# Altium PCB Mixed Signal Project.PcbDoc (part 2 of 3) (continued)
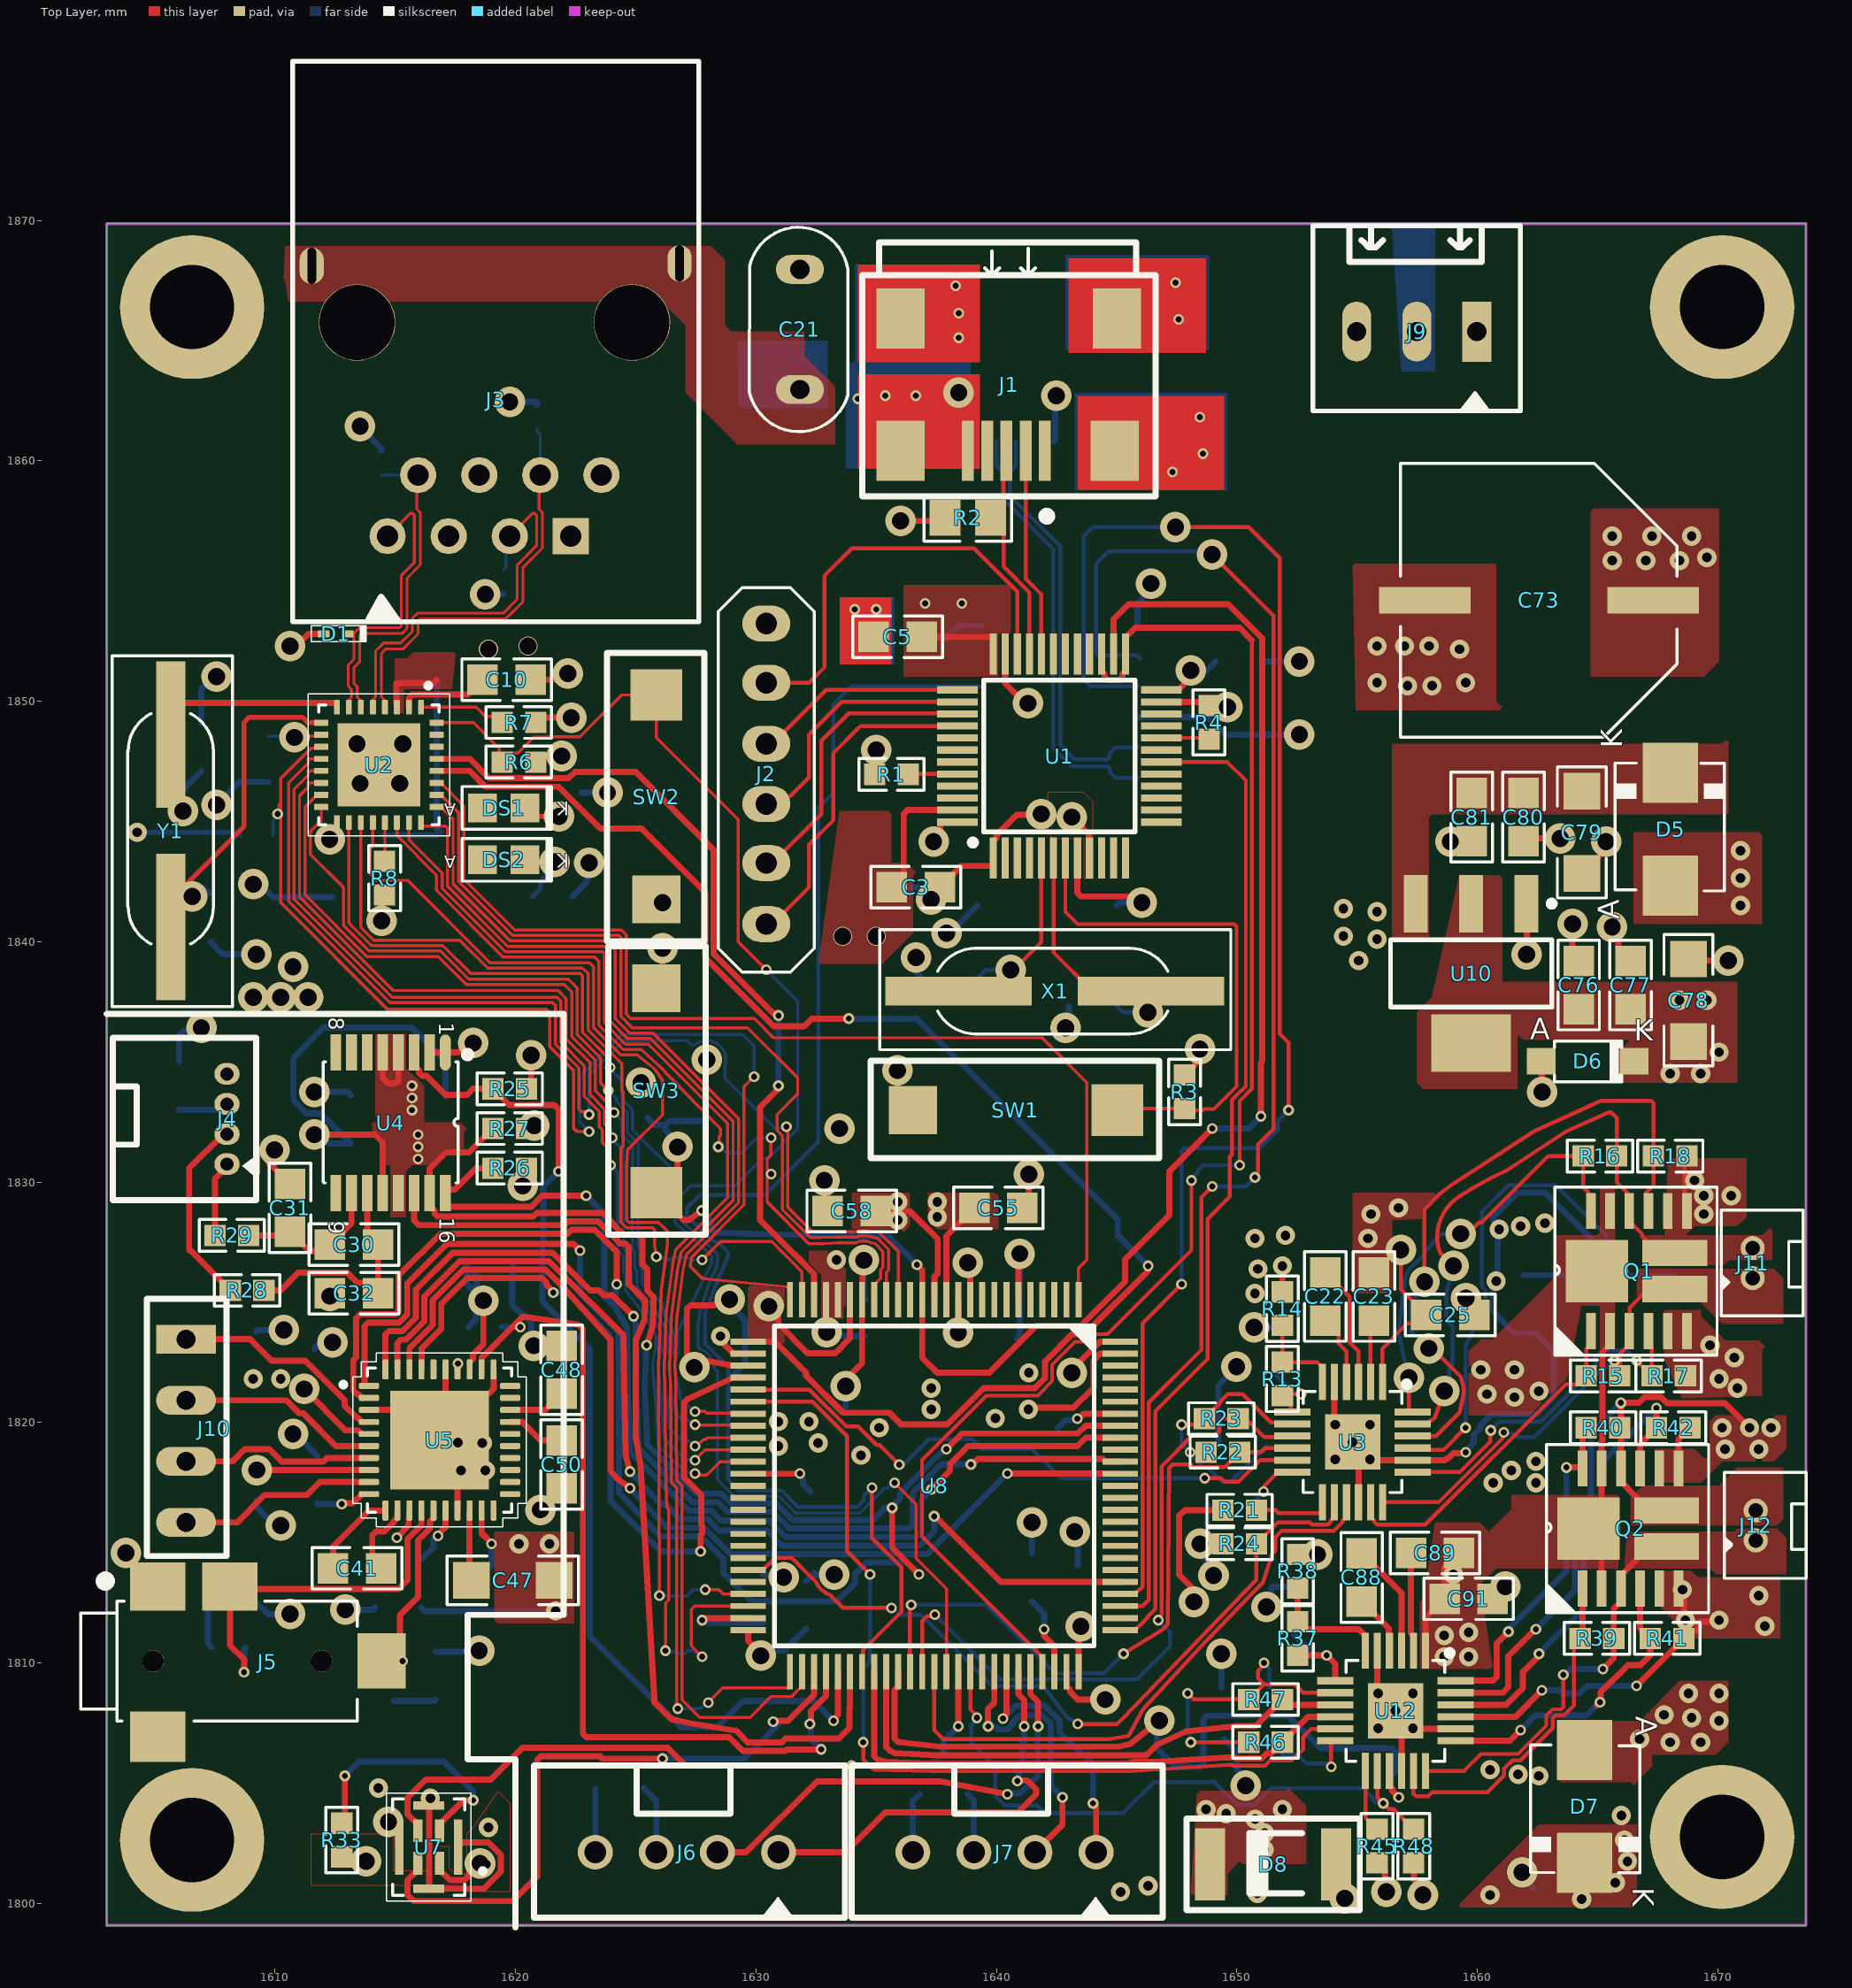
[diagram p0: Top Layer view]
## Nets (pads, with @x,y where several pads share a name; then routed paths per layer and width w, separated by ;. In a path a pad name is that pad's centre, name@x,y a point inside that pad or via, vN(x,y) a via of type N, cw(c..) or ccw(c..) an arc to the next point about the centre after c; other vN are vias at no path point) (continued)
  other v1: 1615.694,1832.991 1615.694,1833.499 1615.694,1834.007 1634.109,1853.819 1634.998,1853.819 1647.317,1859.534 1648.587,1860.296 1648.46,1861.82 1634.236,1862.582 1635.379,1862.709 1636.649,1862.709 1638.427,1865.122 1647.571,1865.884 1638.427,1866.138 1638.3,1867.281 1647.444,1867.408
  other v2: 1650.848,1800.422 1645.158,1800.479 1646.301,1800.733 1614.297,1804.797 1662.557,1805.305 1661.693,1805.369 1660.528,1805.559 1655.867,1807.287 1657.317,1808.737 1620.139,1814.957 1621.409,1814.957 1660.652,1817.497 1662.43,1817.497 1618.742,1818.005 1661.414,1818.005 1662.43,1818.386 1654.081,1818.463 1634.363,1818.64 1630.934,1819.021 1632.585,1819.148 1635.125,1819.783 1655.531,1819.913 1630.934,1820.037 1632.204,1820.037 1639.951,1820.174 1637.284,1820.545 1637.284,1821.434 1641.348,1822.069 1650.746,1825.371 1660.779,1825.879 1650.873,1826.387 1650.746,1827.657 1652.016,1827.784 1660.906,1828.038 1661.795,1828.165 1662.811,1828.292 1655.064,1839.214 1655.826,1840.103 1654.429,1840.23 1655.826,1841.246 1654.429,1841.373 1657.096,1850.644 1658.112,1850.644 1655.826,1850.771 1659.509,1850.771 1659.255,1852.168 1655.826,1852.295 1656.969,1852.295 1657.985,1852.295
  other v3: 1609.09,1837.69 1610.233,1837.69 1611.376,1837.69 1610.741,1838.96
  other v4: 1633.601,1840.23 1634.998,1840.23 1613.535,1846.58 1615.186,1846.58 1613.408,1848.231 1615.313,1848.231 1618.869,1852.168 1620.52,1852.295
INT: R8.2 U2.21 | length 1.6
  Top Layer w0.127: R8.2@1614.551,1843.342 1614.567,1843.358 U2.21@1614.567,1844.955
JTCK/SWCLK_F103: J2.4 U1.37 | length 8.9
  Top Layer w0.166: J2.4@1630.426,1848.231 1630.68,1848.231 1632.922,1850.473 U1.37@1638.38,1850.473
JTCLK_F407: U1.18 U8.76 | length 41.7
  Top Layer w0.152: U1.18@1646.856,1847.473 1649.599,1847.473 1650.367,1846.705 1650.367,1833.989 1650.179,1833.801 1650.169,1833.801
  Top Layer w0.166: U8.76@1645.149,1811.37 1645.193,1811.414 1645.804,1811.414 1645.95,1811.56 1645.962,1811.56 1646.281,1811.879 1646.281,1811.916 1646.6,1812.235 1646.6,1820.463 1648.781,1822.644 1648.781,1828.473 1649.703,1829.395 1649.703,1831.059 1649.786,1831.142 1649.786,1833.417 1650.169,1833.801
JTDI_F103: J2.3 U1.38 | length 10.8
  Top Layer w0.166: J2.3@1630.426,1845.731 1631.037,1845.731 1631.365,1846.059 1631.429,1846.059 1632.204,1846.834 1632.204,1848.612 1633.565,1849.973 U1.38@1638.38,1849.973
JTDO_F103: J2.2 U1.39 | length 12.3
  Top Layer w0.166: J2.2@1630.426,1843.271 1630.676,1843.271 1632.712,1845.307 1632.712,1848.358 1633.855,1849.501 1638.352,1849.501 U1.39@1638.38,1849.473
JTMS/SWDIO_F103: J2.5 U1.34 | length 18.3
  Top Layer w0.166: J2.5@1630.426,1850.771 1632.204,1850.771 1632.839,1851.406 1632.839,1855.216 1633.982,1856.359 1639.062,1856.359 1640.868,1854.553 U1.34@1640.868,1851.961
JTMS_F407: U1.25 U1.27 U8.72 | length 62.6
  Top Layer w0.152: U8.72@1641.911,1809.632 1641.911,1810.243 1641.719,1810.435 1641.719,1810.438 1636.898,1815.259 1636.898,1818.44 1639.58,1821.123 1641.717,1821.123 1642.315,1821.72 1642.315,1822.405 1643.273,1823.363 1643.781,1823.363 1644.091,1823.673 1644.607,1823.673 1648.106,1827.172 v1(1648.106,1830.07) ; v1(1650.111,1830.705) 1650.111,1833.376 1650.619,1833.884 1650.619,1852.549
  Top Layer w0.254: U1.27@1644.368,1851.961 1644.368,1851.261 1644.491,1851.138 1644.491,1851.017 1644.624,1850.884 1645.112,1850.884 1645.245,1851.017 1645.245,1851.138 1645.368,1851.261 U1.25@1645.368,1851.961 1645.368,1852.661 1645.764,1853.057 1650.111,1853.057 1650.619,1852.549
  Bottom Layer w0.152: v1(1648.106,1830.07) 1648.106,1830.151 1648.378,1830.423 1648.378,1830.496 1648.587,1830.705 v1(1650.111,1830.705)
LRCK: U5.40 U8.90 | length 43.9
  Top Layer w0.254: U5.40@1614.587,1822.21 1614.587,1823.652 1614.736,1823.801 1615.303,1823.801 1615.851,1824.349 1615.851,1825.528 1617.391,1827.068 1621.541,1827.068 1623.105,1825.504 1623.463,1825.504 1623.667,1825.3 1624.024,1825.3 v1(1624.904,1824.421) ; v1(1638.935,1818.259) 1638.988,1818.259 1639.215,1818.486 1644.422,1818.486 1644.538,1818.37 U8.90@1645.149,1818.37
  Bottom Layer w0.254: v1(1624.904,1824.421) 1624.994,1824.061 1624.994,1823.025 1625.011,1823.008 1625.021,1822.626 1625.021,1821.234 1625.119,1818.936 1627.368,1816.687 1628.42,1816.687 1628.819,1816.287 1630.689,1816.287 1631.381,1815.595 1636.373,1815.595 1636.522,1815.744 1636.522,1817.09 1637.691,1818.259 v1(1638.935,1818.259)
MCLK: U5.37 U8.29 | length 32.6
  Top Layer w0.254: U5.37@1616.087,1822.21 1616.087,1823.083 1616.913,1823.909 1616.913,1824.939 1617.98,1826.006 1621.101,1826.006 1621.281,1825.826 1621.281,1825.741 1621.567,1825.455 v1(1621.567,1825.402) ; v1(1627.693,1814.637) 1627.693,1815.305 1627.759,1815.37 1627.759,1815.705 1627.718,1815.746 1627.718,1816.99 1626.997,1817.71 1626.997,1820.821 1627.146,1820.97 1629.062,1821.87 U8.29@1629.673,1821.87
  Bottom Layer w0.254: v1(1621.567,1825.402) 1621.604,1825.439 1622.114,1825.439 1623.858,1823.695 1623.933,1823.621 1623.933,1822.585 1623.949,1822.568 1623.949,1816.735 1624.023,1816.661 1626.047,1814.637 v1(1627.693,1814.637)
MDC: U2.12 U8.16 | length 48.4
  Top Layer w0.127: U2.12@1611.917,1847.605 1611.376,1847.605 1611.376,1847.426 1610.562,1846.612 1610.562,1841.672 1614.771,1837.463 1621.536,1837.463 1621.652,1837.347 1621.652,1835.729 1622.633,1834.748 1622.633,1833.024 1622.723,1832.934 1622.846,1832.934 1622.973,1832.808 v1(1623.06,1832.808) ; v1(1631.265,1832.306) 1631.324,1832.247 1631.324,1828.956 1632.341,1827.94 1634.095,1827.94 cw(c1634.482,1826.749) 1634.881,1827.936 1635.093,1827.936 1635.911,1827.118 U8.16@1635.911,1825.108
  Bottom Layer w0.127: v1(1623.06,1832.808) 1623.06,1834.449 1624.497,1835.886 1627.15,1835.886 1627.338,1835.698 1627.391,1835.698 1627.435,1835.698 cw(c1627.951,1835.088) 1628.683,1835.406 1628.71,1835.379 1628.71,1835.336 cw(c1627.951,1835.088) 1628.71,1834.84 1628.71,1834.326 1630.807,1832.229 1630.934,1832.229 1630.95,1832.245 1631.204,1832.245 v1(1631.265,1832.306)
MDIO: R11.2 U2.11 U8.25 | length 53.5
  Top Layer w0.127: v1(1610.106,1845.31) 1610.168,1845.372 1610.168,1845.694 1610.241,1845.767 ; U2.11@1611.917,1848.105 1611.855,1848.043 1611.493,1848.043 1610.241,1846.791 1610.241,1845.767 ; v1(1623.06,1832.102) 1622.552,1832.102 1622.406,1832.248 1622.406,1834.654 1621.425,1835.635 1621.425,1837.039 1621.282,1837.182 1614.678,1837.182 1610.241,1841.619 1610.241,1845.31 1610.241,1845.767 ; v1(1629.918,1834.388) 1629.501,1833.971 1629.501,1829.059 1627.334,1826.893 1627.265,1826.584 1627.265,1826.517 1627.299,1826.466 1627.742,1826.023 1627.819,1825.987 1631.288,1825.645 1631.351,1825.582 1631.356,1825.539 U8.25@1631.411,1825.108
  Bottom Layer w0.127: R11.2@1609.916,1844.421 1609.916,1845.056 1610.106,1845.246 v1(1610.106,1845.31) ; v1(1623.06,1832.102) 1622.671,1832.491 1622.671,1834.381 1624.424,1836.134 1629.442,1836.134 1629.918,1835.658 v1(1629.918,1834.388)
NetC4_2: C4.2 U1.5 X1.1 | length 11.3
  Top Layer w0.166: X1.1@1637.849,1837.944 X1.1@1639.824,1837.944 ; v3(1640.586,1838.833) v3@1640.586,1838.706 ; U1.5@1641.868,1843.485 1641.868,1839.988 v3@1640.586,1838.706 ; X1.1@1639.824,1837.944 v3@1640.586,1838.706 ; X1.1@1639.824,1837.944 v3@1640.586,1838.706
  Bottom Layer w0.166: C4.2@1639.046,1838.325 1639.554,1838.833 v3(1640.586,1838.833)
NetC6_2: C6.2 U1.6 X1.2 | length 11
  Top Layer w0.166: U1.6@1642.368,1843.485 1642.368,1839.555 1643.979,1837.944 X1.2@1646.427,1837.944 1646.427,1837.181 v3(1646.301,1837.055)
  Bottom Layer w0.166: C6.2@1645.015,1837.309 1645.269,1837.055 v3(1646.301,1837.055)
NetC10_2: C10.2 U2.2 | length 3.8
  Top Layer w0.254: U2.2@1615.567,1849.755 1615.567,1850.133 1615.716,1850.282 1618.015,1850.282 C10.2@1618.631,1850.898
NetC11_1: C11.1 C12.1 C13.1 C14.1 FB1.2 U2.3 | length 11.5
  Top Layer w0.254: U2.3@1615.047,1849.869 1615.047,1850.759 1616.587,1850.759 1616.726,1850.898
  Bottom Layer w0.254: FB1.2@1614.485,1844.421 1616.747,1844.421 C11.1@1616.878,1844.553 1616.726,1844.705 C12.1@1616.726,1846.707 C13.1@1616.726,1848.866 C14.1@1616.726,1850.898
NetC15_2: C15.2 U2.8 Y1.1 | length 13.3
  Top Layer w0.254: Y1.1@1605.28,1848.992 1605.28,1849.453 1605.753,1849.926 1612.565,1849.926 1612.567,1849.924 U2.8@1612.567,1849.755 ; Y1.1@1605.661,1848.612 1605.661,1845.946 v3(1606.169,1845.438)
  Bottom Layer w0.254: v3@1605.788,1845.818 1605.788,1845.961 C15.2@1606.931,1847.104
NetC20_2: C20.2 U2.9 Y1.2 | length 14.2
  Top Layer w0.203: Y1.2@1605.661,1840.612 1605.661,1841.077 1606.466,1841.882 v3(1606.55,1841.882) ; Y1.2@1606.169,1842.262 1608.709,1844.802 1608.709,1849.12 1608.924,1849.335 1611.144,1849.335 1611.374,1849.105 U2.9@1611.917,1849.105
  Bottom Layer w0.203: v3@1606.169,1842.262 1607.042,1842.262 C20.2@1607.312,1841.992
NetC21_1: C21.1 J3.9 J3.10 R12.1
NetC22_1: C22.1 U3.3 | length 5.1
  Top Layer w0.166: C22.1@1653.667,1826.244 1654.683,1825.228 1654.683,1823.339 1655.056,1822.966 U3.3@1655.056,1821.688
NetC22_2: C22.2 U3.4 | length 2.9
  Top Layer w0.166: C22.2@1653.667,1824.244 1654.219,1823.692 1654.219,1823.295 1654.556,1822.958 U3.4@1654.556,1821.688
NetC23_1: C23.1 U3.2 | length 2.6
  Top Layer w0.166: U3.2@1655.556,1821.688 1655.556,1824.101 C23.1@1655.699,1824.244
NetC26_1: C26.1 R13.1 U3.7 | length 3
  Top Layer w0.166: U3.7@1652.306,1820.438 1652.239,1820.505 1652.239,1820.767 R13.1@1651.889,1821.117 1651.952,1821.18 v1(1652.671,1821.18)
  Bottom Layer w0.166: C26.1@1651.635,1821.958 1652.359,1821.234 1652.617,1821.234 v1(1652.671,1821.18)
NetC29_2: C29.2 FB2.2 U4.12 | length 20.6
  Top Layer w0.254: v3(1611.63,1831.975) 1614.17,1831.975 1614.478,1831.667 U4.12@1614.478,1829.541
  Bottom Layer w0.254: v3(1611.63,1831.975) 1611.883,1831.975 1612.248,1831.61 C29.2@1613.154,1831.61 1611.9,1832.864 1611.3,1832.864 1610.768,1833.396 1610.768,1835.177 1612.011,1836.42 1615.694,1836.42 1617.091,1835.023 FB2.2@1617.091,1833.56
NetC30_1: C30.1 C32.1 R28.1 U4.11 | length 10.5
  Top Layer w0.254: R28.1@1609.534,1825.498 1610.233,1825.498 1610.968,1826.233 1613.01,1826.233 1613.426,1825.817 1613.773,1825.817 1614.281,1825.309 1614.281,1824.99 1614.281,1826.895 1613.828,1827.348 U4.11@1613.828,1829.541
NetC30_2: C30.2 C31.1 R29.1 U4.10 | length 6.4
  Top Layer w0.254: R29.1@1608.899,1827.784 1610.471,1827.784 C31.1@1610.614,1827.927 1611.414,1827.127 1612.049,1827.127 C30.2@1612.281,1826.895 ; C30.2@1612.281,1827.403 1613.178,1828.3 U4.10@1613.178,1829.541
NetC34_1: C34.1 C37.1 C38.1 FB3.2 U5.13 U5.16 | length 3.8
  Top Layer w0.254: v1(1615.059,1815.211) 1615.55,1815.702 1615.55,1816.013 1615.585,1816.048 1615.585,1816.338 U5.13@1615.587,1816.34 ; v1(1616.77,1815.282) 1616.77,1815.335 1617.085,1815.65 U5.16@1617.087,1816.34 U5.16@1617.087,1816.34
  Bottom Layer w0.254: C38.1@1616.075,1814.306 1616.583,1814.814 1616.583,1815.158 1616.593,1815.168 1616.603,1815.168 1616.717,1815.282 v1(1616.77,1815.282)
NetC35_1: C35.1 R31.1 | length 1.8
  Bottom Layer w0.254: R31.1@1614.932,1808.417 1616.621,1808.417 C35.1@1616.676,1808.471
NetC36_1: C36.1 R30.1 | length 2
  Bottom Layer w0.254: C36.1@1607.201,1812.544 1607.201,1810.813 R30.1@1607.376,1810.639
NetC41_1: C41.1 U5.12 | length 3.2
  Top Layer w0.254: C41.1@1614.408,1813.941 1614.043,1814.306 1614.043,1815.316 1614.192,1815.465 1614.543,1815.465 1614.939,1815.861 1614.939,1815.901 1615.087,1816.049 U5.12@1615.087,1816.34
NetC41_2: C41.2 U5.11 | length 3.7
  Top Layer w0.254: C41.2@1612.408,1813.941 1612.408,1814.846 1613.902,1816.34 U5.11@1614.587,1816.34
NetC42_1: C42.1 U5.10 | length 2
  Top Layer w0.254: v1(1612.773,1816.608) 1612.811,1816.646 1613.232,1816.646 U5.10@1613.609,1817.023
  Bottom Layer w0.254: C42.1@1611.757,1816.624 1611.773,1816.608 v1(1612.773,1816.608)
NetC47_2: C47.2 U5.18 | length 2.9
  Top Layer w0.254: U5.18@1618.087,1816.34 1618.087,1813.521 C47.2@1618.17,1813.438
NetC48_2: C48.2 U5.28 | length 2.4
  Top Layer w0.254: U5.28@1619.772,1820.525 1621.246,1820.525 C48.2@1621.917,1821.196
NetC49_2: C49.2 U5.19 | length 2.7
  Top Layer w0.254: U5.19@1618.587,1816.047 1618.587,1815.405 1618.996,1814.996 v1(1618.996,1814.957)
  Bottom Layer w0.254: C49.2@1618.631,1813.687 1618.996,1814.052 v1(1618.996,1814.957)
NetC50_2: C50.2 U5.27 | length 2.5
  Top Layer w0.254: U5.27@1619.772,1820.025 1620.278,1820.025 1621.044,1819.259 C50.2@1621.917,1819.259
NetC55_1: C55.1 U8.12 X2.2 | length 4.3
  Top Layer w0.254: U8.12@1637.911,1825.108 1637.911,1827.76 C55.1@1639.078,1828.927
  other v2: 1637.538,1828.546 1637.538,1829.181
NetC58_1: C58.1 U8.13 X2.1 | length 5.6
  Top Layer w0.254: C58.1@1634.982,1828.8 1636.395,1828.8 1637.557,1827.638 1637.557,1826.206 1637.411,1826.06 U8.13@1637.411,1825.108
  other v2: 1635.887,1828.419 1635.887,1829.181
NetC65_1: C65.1 C66.1 C67.1 C68.1 FB4.2 U8.21 U8.22 | length 3
  Top Layer w0.254: v3@1632.904,1823.72 v3(1632.936,1823.753) 1632.911,1823.778 U8.22@1632.911,1825.108
  Bottom Layer w0.254: C65.1@1632.936,1823.593 C66.1@1634.506,1823.593
NetC69_1: C69.1 U8.73 | length 3.3
  Top Layer w0.254: v1(1641.983,1811.401) 1641.983,1811.126 1642.411,1810.698 U8.73@1642.411,1809.632
  Bottom Layer w0.254: C69.1@1641.475,1812.56 1641.983,1812.052 v1(1641.983,1811.401)
NetC70_1: C70.1 U8.49 | length 4.5
  Top Layer w0.254: v1(1627.759,1811.782) 1627.812,1811.782 1627.9,1811.87 U8.49@1629.673,1811.87
  Bottom Layer w0.254: v1(1627.759,1811.782) 1627.812,1811.782 1627.923,1811.671 C70.1@1630.299,1811.671
NetC79_2: C79.2 C80.2 C81.2 D5.K U10.3
NetC85_2: C85.2 C86.2 C87.2 D7.K U11.3
  other v2: 1664.335,1800.177 1660.525,1800.352 1665.732,1800.86 1666.24,1801.749 1666.113,1802.638 1665.986,1803.654
NetC88_1: C88.1 U12.3 | length 4.7
  Top Layer w0.254: C88.1@1655.191,1814.56 1656.842,1812.909 U12.3@1656.842,1810.512
NetC88_2: C88.2 U12.4 | length 2.5
  Top Layer w0.254: C88.2@1655.191,1812.56 1656.319,1811.432 1656.319,1810.535 U12.4@1656.342,1810.512
NetC89_1: C89.1 U12.2 | length 4.1
  Top Layer w0.254: C89.1@1657.239,1814.576 1657.239,1811.215 1657.342,1811.112 U12.2@1657.342,1810.512
NetC92_1: C92.1 R37.1 U12.7 | length 4.1
  Top Layer w0.254: R37.1@1652.524,1810.322 v1(1653.73,1810.322) 1654.092,1809.96 U12.7@1654.092,1809.262
  Bottom Layer w0.254: C92.1@1652.397,1811.163 1653.239,1810.322 v1(1653.73,1810.322)
NetDS1_K: DS1.K R5.2 | length 1.6
  Top Layer w0.203: DS1.K@1620.396,1845.564 1620.75,1845.21 v3(1621.804,1845.21)
NetDS2_K: DS2.K R9.2 | length 3.1
  Top Layer w0.203: DS2.K@1620.396,1843.405 1620.488,1843.313 v3(1621.628,1843.313)
  Bottom Layer w0.203: R9.2@1620.71,1841.881 1621.028,1842.199 1621.028,1842.516 1621.628,1843.116 v3(1621.628,1843.313)
NetJ5_2: J5.2 R31.2 U5.15 | length 6.3
  Top Layer w0.254: J5.2@1614.828,1810.558 1615.186,1810.916 1615.186,1811.992 1615.948,1812.754 1615.948,1815.099 1616.439,1815.59 1616.439,1815.901 U5.15@1616.585,1816.047
  Bottom Layer w0.254: R31.2@1615.197,1810.079 v1(1615.306,1810.079)
NetJ5_3: J5.3 R30.2 U5.14 | length 15.2
  Top Layer w0.254: J5.3@1608.124,1813.179 J5.3@1608.124,1813.104 ; v1(1608.709,1809.623) 1608.709,1810.144 1608.124,1810.729 J5.3@1608.124,1813.104 ; U5.14@1616.085,1816.047 1616.085,1815.736 1615.511,1815.162 1615.511,1813.453 1615.137,1813.079 1608.149,1813.079 J5.3@1608.124,1813.104
  Bottom Layer w0.254: v1(1608.709,1809.623) 1608.709,1810.575 R30.2@1608.773,1810.639
NetR1_2: R1.2 U1.44 | length 2.1
  Top Layer w0.166: R1.2@1636.332,1846.961 1636.344,1846.973 U1.44@1638.38,1846.973
NetR4_1: R4.1 U1.20 | length 2
  Top Layer w0.152: U1.20@1646.856,1848.473 1648.79,1848.473 R4.1@1648.841,1848.422
NetR7_2: R7.2 U2.1 | length 3.6
  Top Layer w0.127: U2.1@1616.067,1849.755 1618.361,1849.755 1618.742,1849.374 1619.183,1849.374 R7.2@1619.437,1849.12
NetR10_1: R10.1 U2.10 | length 2.3
  Top Layer w0.127: v3(1610.798,1848.498) 1610.851,1848.552 1611.864,1848.552 U2.10@1611.917,1848.605
  Bottom Layer w0.127: R10.1@1609.725,1848.546 1610.75,1848.546 v3(1610.798,1848.498)
NetR13_2: R13.2 R14.1 U3.6 | length 3.9
  Top Layer w0.166: R14.1@1651.889,1824.038 R13.2@1651.889,1822.514 1653.33,1822.514 1653.556,1822.288 U3.6@1653.556,1821.688
NetR19_1: R19.1 U3.12 | length 2.4
  Top Layer w0.166: v1(1651.105,1817.124) 1651.16,1817.178 1651.16,1817.392 1651.706,1817.938 U3.12@1652.306,1817.938
  Bottom Layer w0.166: R19.1@1650.68,1816.608 1650.68,1816.698 v1(1651.105,1817.124)
NetR21_1: R21.1 U3.13 | length 3.2
  Top Layer w0.166: R21.1@1650.809,1816.354 1651.608,1816.354 1651.726,1816.235 1653.489,1816.235 1653.556,1816.302 U3.13@1653.556,1816.688
NetR33_2: R33.2 U7.2 | length 10.8
  Top Layer w0.254: R33.2@1612.773,1803.337 1612.9,1803.464 v1(1612.9,1805.305) ; U7.2@1616.837,1802.744 U7.2@1616.837,1803.019 1616.837,1803.294 1617.832,1804.289 v1(1618.234,1804.289)
  Bottom Layer w0.254: v1(1612.9,1805.305) 1613.492,1805.897 1617.007,1805.897 1618.234,1804.67 v1(1618.234,1804.289)
NetR35_2: R35.2 U8.37 | length 3.1
  Top Layer w0.254: U8.37@1629.673,1817.87 1631.815,1817.87 v1(1631.823,1817.878)
  Bottom Layer w0.254: v1(1631.823,1817.878) 1631.823,1817.825 1631.95,1817.698 1631.95,1817.433 R35.2@1632.267,1817.116
NetR36_1: R36.1 U8.94 | length 2.9
  Top Layer w0.254: v1(1643.365,1820.164) 1643.418,1820.164 1643.624,1820.37 U8.94@1645.149,1820.37
  Bottom Layer w0.254: R36.1@1642.554,1819.783 1642.872,1820.101 1643.302,1820.101 v1(1643.365,1820.164) v1@1643.38,1820.164
NetR37_2: R37.2 R38.1 U12.6 | length 5.1
  Top Layer w0.254: R38.1@1652.524,1813.116 R37.2@1652.524,1811.719 1652.841,1811.401 1652.99,1811.401 1653.356,1811.401 1655.064,1811.401 1655.319,1811.146 1655.319,1810.535 U12.6@1655.342,1810.512
NetR43_1: R43.1 U12.12 | length 4.3
  Top Layer w0.166: v1(1653.921,1805.686) 1653.921,1806.695 1653.988,1806.762 U12.12@1654.092,1806.762
  Bottom Layer w0.166: R43.1@1651.376,1806.829 1651.376,1806.729 1651.943,1806.162 1652.556,1806.162 1652.905,1805.813 1653.794,1805.813 v1(1653.921,1805.686)
NetR45_1: R45.1 U12.13 | length 2.6
  Top Layer w0.166: U12.13@1655.342,1805.512 1655.342,1803.566 R45.1@1655.826,1803.082
nFAULT: R23.2 U3.9 U8.62 | length 28.8
  Top Layer w0.166: U8.62@1636.911,1809.632 1636.911,1811.75 1637.116,1811.955 1637.383,1811.955 v1(1637.438,1812.009) ; v1(1646.724,1811.782) 1646.724,1811.859 1646.866,1812.001 1646.866,1818.175 1648.156,1819.466 1649.1,1819.466 1649.278,1819.644 1649.278,1820.067 1649.375,1820.164 R23.2@1650.048,1820.164 1650.365,1820.164 1651.127,1819.402 1652.27,1819.402 U3.9@1652.306,1819.438
  Bottom Layer w0.166: v1(1637.438,1812.009) 1640.134,1809.313 1645.84,1809.313 1647.212,1810.685 1647.212,1811.293 v1(1646.724,1811.782)
nFAULT_2: R47.2 U8.59 U12.9 | length 22.8
  Top Layer w0.254: U8.59@1635.411,1809.632 1635.411,1806.502 1635.56,1806.353 1635.767,1806.248 1637.517,1806.165 1643.782,1806.165 1645.322,1806.165 1646.226,1806.165 1646.609,1806.549 1646.683,1806.6 1647.892,1807.154 1649.953,1807.373 1650.782,1807.373 R47.2@1651.889,1808.48 1652.107,1808.262 U12.9@1654.092,1808.262
NJTRST_F103: J2.1 U1.40 | length 14
  Top Layer w0.166: J2.1@1630.426,1840.731 1630.676,1840.731 1632.204,1842.259 1632.204,1844.04 1633.22,1845.056 1633.22,1847.85 1634.169,1848.799 1634.173,1848.799 1634.347,1848.973 U1.40@1638.38,1848.973
NRST: R3.2 SW1.2 U1.7 | length 21.7
  Top Layer w0.152: U1.7@1642.868,1843.485 1642.868,1841.25 1643.38,1840.738 1649.895,1840.738 1649.984,1840.649 1649.984,1833.982 1649.043,1833.04 1648.632,1833.04 1648.583,1832.991 1647.888,1832.991 R3.2@1647.825,1833.054 1645.085,1833.054 SW1.2@1645.022,1832.991
NTRST_F407: C53.2 R34.1 SW3.2 U1.26 U8.14 | length 71.3
  Top Layer w0.254: v3(1626.736,1831.46) 1626.736,1830.444 SW3.2@1625.854,1829.562 1626.994,1828.422 1627.204,1828.422 v1(1627.738,1828.821) ; v1(1636.695,1826.564) 1636.911,1826.348 U8.14@1636.911,1825.108 1636.911,1822.696 1637.538,1822.069 1639.697,1822.069 1641.648,1824.02 1643.509,1824.02 1645.349,1825.861 1645.349,1826.781 1647.19,1828.622 1647.19,1830.451 v1(1648.968,1832.229) ; U1.26@1644.868,1851.961 1644.868,1853.402 1645.501,1854.035 1649.641,1854.035 1651.059,1852.617 1651.059,1835.023 1651,1834.964 v1(1651,1832.737)
  Bottom Layer w0.254: R34.1@1625.473,1832.674 1625.775,1832.372 1626.235,1832.372 ; v3(1626.736,1831.46) 1626.736,1831.66 1626.235,1832.162 1626.235,1832.372 ; v1(1627.738,1828.821) 1627.738,1828.768 1628.135,1828.371 1628.135,1828.148 1628.135,1828.049 1628.284,1827.9 1629.698,1827.846 1635.545,1827.714 1635.619,1827.639 v1(1636.695,1826.564) ; C53.2@1627.911,1832.677 1627.781,1832.547 1626.41,1832.547 1626.235,1832.372 ; v1(1648.968,1832.229) 1650.492,1832.229 v1(1651,1832.737)
OUTA+: J10.1 U5.4 | length 8.9
  Top Layer w0.254: J10.1@1606.296,1823.466 1608.963,1823.466 1609.857,1822.572 1611.254,1822.572 1612.893,1820.933 1612.893,1820.703 1613.423,1820.173 1613.463,1820.173 U5.4@1613.609,1820.027
OUTA-: J10.2 U5.6 | length 8.4
  Top Layer w0.254: J10.2@1606.296,1820.926 1610.462,1820.926 1610.997,1820.391 1611.162,1820.391 1612.528,1819.025 U5.6@1613.902,1819.025
OUTB+: J10.3 U5.7 | length 8.1
  Top Layer w0.254: J10.3@1606.296,1818.386 1608.238,1818.386 1608.739,1818.887 1609.765,1818.887 1610.273,1818.379 1612.004,1818.379 1612.15,1818.525 U5.7@1613.902,1818.525
OUTB-: J10.4 U5.9 | length 8.3
  Top Layer w0.254: J10.4@1606.296,1815.846 1608.427,1815.846 1609.57,1816.989 1611.321,1816.989 1611.857,1817.525 U5.9@1613.902,1817.525
PH: U3.15 U8.63 | length 25.1
  Top Layer w0.166: U8.63@1637.411,1809.632 1637.411,1807.21 1637.744,1806.877 1637.792,1806.829 1644.65,1806.829 1644.663,1806.831 1645.463,1806.961 1645.517,1807.015 1645.529,1807.036 1646.054,1807.994 cw(c1646.771,1807.6) 1646.171,1808.155 1648.749,1810.941 cw(c1649.349,1810.385) 1648.761,1810.953 1650.638,1812.898 cw(c1651.227,1812.33) 1650.64,1812.9 1651.075,1813.348 1651.437,1814.437 1651.437,1814.505 1651.595,1814.663 1651.595,1815.229 1651.86,1815.494 1651.864,1815.49 1654.02,1815.49 1654.389,1815.858 1654.389,1815.917 1654.556,1816.084 U3.15@1654.556,1816.684
PH_2: U8.60 U12.15 | length 31.6
  Top Layer w0.254: U8.60@1635.911,1809.632 1635.911,1809.021 1635.765,1808.875 1635.765,1806.856 1635.914,1806.707 1637.664,1806.519 1643.635,1806.519 1645.07,1806.519 1645.586,1806.641 v3(1646.771,1807.6) ; U12.15@1656.342,1805.508 1656.342,1804.908 1656.465,1804.785 1656.465,1804.664 1656.713,1804.416 v1(1656.726,1804.416)
  Bottom Layer w0.254: v3(1646.771,1807.6) 1646.673,1807.502 1646.673,1806.457 1647.444,1805.686 1648.45,1805.686 1648.599,1805.835 1648.599,1807.673 1648.732,1807.806 1652.12,1807.806 1653.478,1806.448 1656.439,1806.448 1656.588,1806.299 1656.588,1805.478 1656.401,1805.291 1656.401,1804.794 1656.726,1804.469 v1(1656.726,1804.416)
PHY_RESET: R6.2 SW2.2 U2.32 U8.64 | length 67.9
  Top Layer w0.127: U2.32@1616.717,1849.105 1618.249,1849.105 1619.324,1848.03 1619.324,1847.582 R6.2@1619.437,1847.469 1619.818,1847.85 1620.095,1847.85 1620.757,1848.512 1621.359,1848.512 1621.369,1848.521 1622.248,1848.521 1622.251,1848.519 1622.674,1848.519 1624.419,1850.263 SW2.2@1625.854,1850.263 1625.854,1848.485 1629.262,1845.077 1629.262,1839.997 v1(1630.426,1838.833) ; v1(1635.76,1817.497) 1636.658,1816.599 1636.658,1814.354 1637.919,1813.093 1637.919,1809.64 U8.64@1637.911,1809.632
  Bottom Layer w0.127: v1(1630.426,1838.833) 1631.732,1837.527 1631.732,1832.224 1630.504,1830.996 1630.272,1830.996 1629.123,1829.847 1627.282,1829.847 1626.878,1829.443 1626.878,1828.464 1626.878,1828.411 1626.952,1828.337 1628.014,1827.384 1628.375,1827.023 1628.394,1826.895 1628.394,1826.815 1628.375,1826.513 1628.171,1826.07 1628.141,1826.039 1627.701,1824.759 1627.698,1824.753 ccw(c1632.221,1823.689) 1627.606,1823.155 ccw(c1627.732,1823.171) 1627.69,1823.051 cw(c1627.43,1822.296) 1628.207,1822.482 1628.253,1822.29 1628.394,1822.112 1628.394,1822.06 1628.394,1817.624 1629.086,1816.932 1630.956,1816.932 1631.648,1816.24 1634.313,1816.24 1635.329,1817.256 1635.431,1817.256 1635.673,1817.497 v1(1635.76,1817.497)
RD_N: D4.K J3.6 U2.4 | length 16.8
  Top Layer w0.116: U2.4@1614.547,1849.957 1614.547,1850.044 1614.418,1850.173 1614.418,1851.983 1614.615,1852.179 1615.324,1852.179 1615.948,1852.803 1615.948,1853.35 1616.016,1853.418 1619.585,1853.418 1620.311,1854.144 1620.311,1855.565 1621.115,1856.37 1621.115,1857.85 1620.976,1857.989 1620.976,1859.355 J3.6@1621.028,1859.407
  Bottom Layer w0.116: D4.K@1620.901,1861.315 1620.901,1861.22 1621.028,1861.093 J3.6@1621.028,1859.407
RD_P: D3.K J3.5 U2.5 | length 16.2
  Top Layer w0.116: U2.5@1614.047,1849.869 U2.5@1614.047,1850.044 ; 1614.047,1850.057 1614.06,1850.057 1614.176,1850.173 1614.176,1852.083 1614.514,1852.422 1615.224,1852.422 1615.705,1852.904 1615.705,1853.451 1615.915,1853.661 1619.484,1853.661 1620.068,1854.245 1620.068,1855.666 1620.872,1856.47 1620.872,1857.749 1620.804,1857.817 1620.708,1857.817 J3.5@1619.758,1856.867
  Bottom Layer w0.116: D3.K@1619.504,1855.467 1619.596,1855.559 1619.596,1856.705 J3.5@1619.758,1856.867
RESET: R25.2 U4.3 U8.55 | length 45.2
  Top Layer w0.254: U4.3@1615.778,1835.391 1615.778,1834.866 1615.976,1834.668 1615.976,1834.547 1616.109,1834.414 1616.303,1834.414 1617.091,1833.626 1617.98,1833.626 1618.234,1833.88 R25.2@1619.059,1833.88 1619.731,1833.209 1621.605,1833.209 1621.79,1833.023 v1(1621.79,1830.451) ; v1(1633.22,1807.591) 1633.22,1807.644 1633.411,1807.835 U8.55@1633.411,1809.632
  Bottom Layer w0.254: v1(1621.79,1830.451) 1621.155,1829.816 1621.155,1827.443 1621.115,1827.403 1621.115,1825.03 1623.087,1823.058 1623.087,1811.116 1626.866,1807.337 1628.39,1807.337 1629.476,1808.423 1632.388,1808.423 v1(1633.22,1807.591)